# Altium PCB 20220515_Keyboard_V0.2.PcbDoc (part 2 of 2)
Units mil, origin at the board's own origin, x right, y up, seen from the top; angles counter-clockwise.
Board outline 8065.67 x 4703.83 mil, 2 copper layers (Top Layer, Bottom Layer); 135 components, 101 nets, 694 pads, 1603 vias.
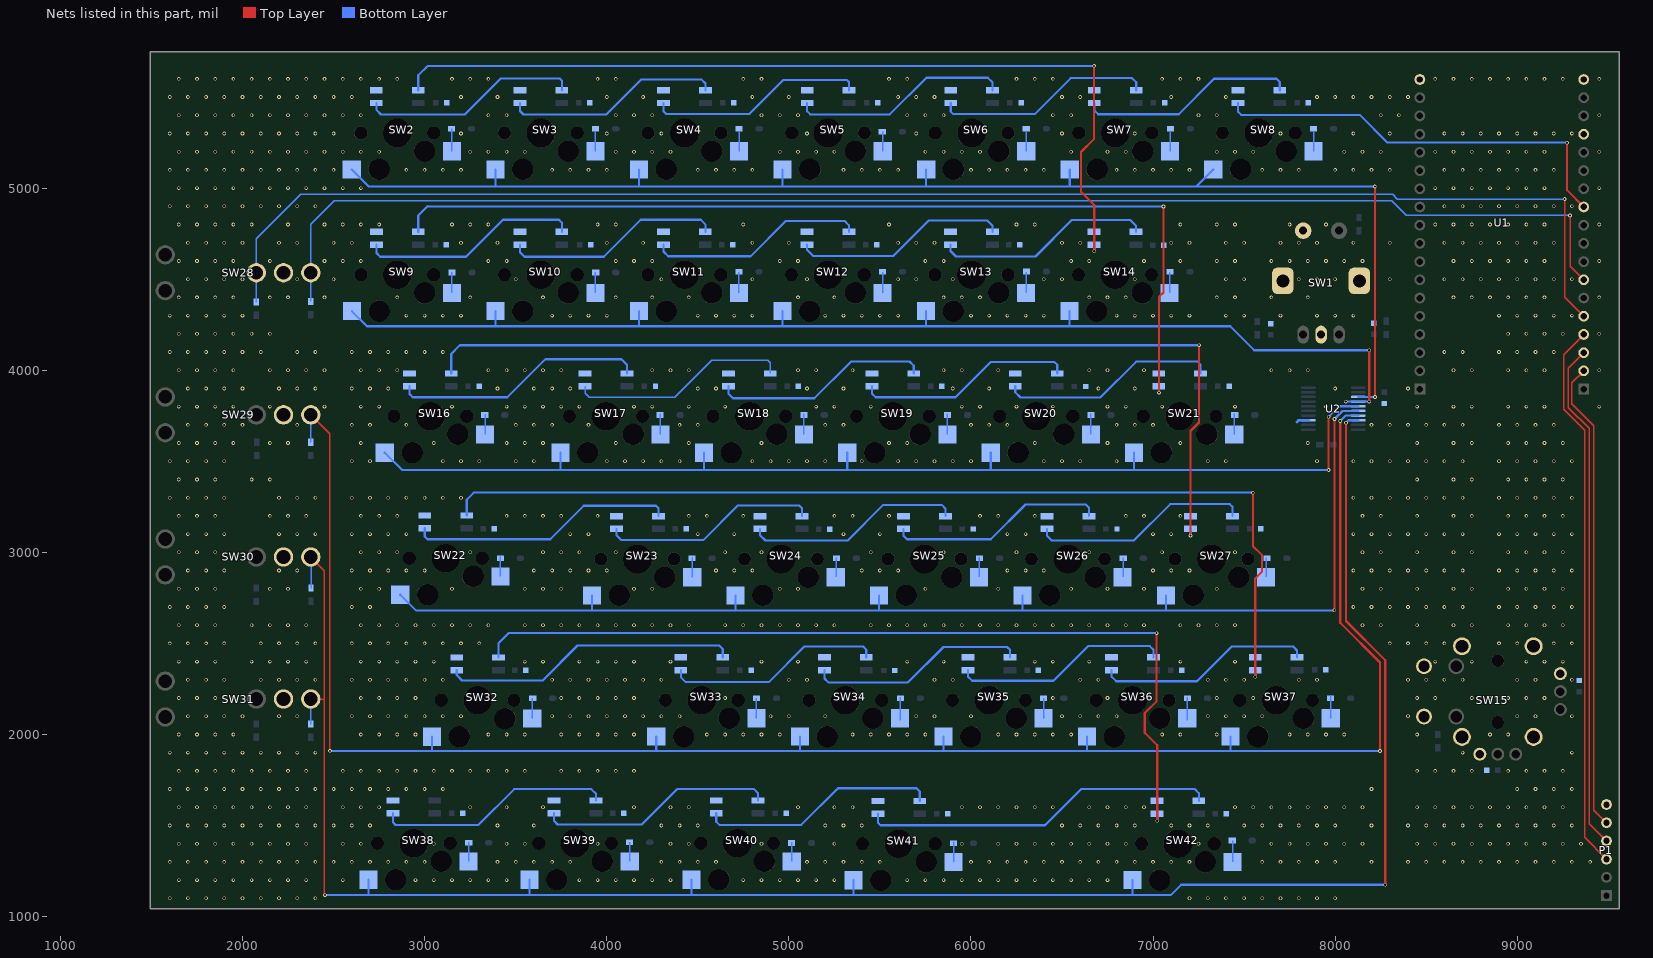
[diagram p2: the nets of this part, all layers, seen from the top]

## Via types
v1: diameter 20, hole 12, Top Layer to Bottom Layer, 1603 vias

## Nets (pads, with @x,y where several pads share a name; then routed paths per layer and width w, separated by ;. In a path a pad name is that pad's centre, name@x,y a point inside that pad or via, vN(x,y) a via of type N, cw(c..) or ccw(c..) an arc to the next point about the centre after c; other vN are vias at no path point) (continued)
GND: C1.1 C2.1 C3.1 C4.1 C5.1 C6.1 C7.1 C8.1 C9.2 C10.1 C11.1 C12.1 C13.1 C14.1 C15.1 C16.1 C17.1 C18.1 C19.1 C20.1 C21.1 C22.1 C23.1 C24.1 C25.1 C26.1 C27.1 C28.1 C29.1 C30.1 C31.1 C32.1 C33.1 C34.1 C35.1 C36.1 C37.1 C38.1 C39.1 C40.1 C41.1 P1.6 SW1.6 SW1.7 SW1.C SW1.D SW2.5 SW3.5 SW4.5 SW5.5 SW6.5 SW7.5 SW8.5 SW9.5 SW10.5 SW11.5 SW12.5 SW13.5 SW14.5 SW15.1 SW15.6 SW15.7 SW15.8 SW15.9 SW15.10 SW15.b SW15.d SW16.5 SW17.5 SW18.5 SW19.5 SW20.5 SW21.5 SW22.5 SW23.5 SW24.5 SW25.5 SW26.5 SW27.5 SW28.2 SW29.2 SW30.2 SW31.2 SW32.5 SW33.5 SW34.5 SW35.5 SW36.5 SW37.5 SW38.5 SW39.5 SW40.5 SW41.5 SW42.5 U1.1 U1.4 U1.36 U2.13 | length 65.5
  Bottom Layer w16: 7791.09,3716.41 7800.01,3725.33 U2.13@7852.85,3725.33
  other v1: 1600,1100 1700,1100 1800,1100 1900,1100 2000,1100 2100,1100 2200,1100 2300,1100 2400,1100 7200,1100 7300,1100 7400,1100 7500,1100 7600,1100 7700,1100 7800,1100 7900,1100 8000,1100 1650,1200 1750,1200 1850,1200 1950,1200 2050,1200 2150,1200 2250,1200 2350,1200 2550,1200 2950,1200 3050,1200 3150,1200 3250,1200 3350,1200 3450,1200 3850,1200 3950,1200 4050,1200 4150,1200 4250,1200 4350,1200 4750,1200 4850,1200 4950,1200 5050,1200 5150,1200 5250,1200 5650,1200 5750,1200 5850,1200 5950,1200 6050,1200 6150,1200 6250,1200 6350,1200 6450,1200 6550,1200 6650,1200 6750,1200 1600,1300 1700,1300 1800,1300 1900,1300 2000,1300 2100,1300 2200,1300 2300,1300 2400,1300 2500,1300 2600,1300 2700,1300 2800,1300 2900,1300 3000,1300 3400,1300 3500,1300 3600,1300 3700,1300 3800,1300 4300,1300 4400,1300 4500,1300 4600,1300 5100,1300 5200,1300 5300,1300 5400,1300 5500,1300 6000,1300 6100,1300 6200,1300 6300,1300 6400,1300 6500,1300 6600,1300 6700,1300 6800,1300 6900,1300 7000,1300 7100,1300 7200,1300 7600,1300 7700,1300 7800,1300 7900,1300 8000,1300 8200,1300 8400,1300 8500,1300 8600,1300 8700,1300 8800,1300 8900,1300 9000,1300 9100,1300 9200,1300 9300,1300 9400,1300 1650,1400 1750,1400 1850,1400 1950,1400 2050,1400 2150,1400 2250,1400 2350,1400 2550,1400 2650,1400 3050,1400 3450,1400 3550,1400 3950,1400 4350,1400 4450,1400 4850,1400 5250,1400 5950,1400 6150,1400 6250,1400 6350,1400 6450,1400 6550,1400 6650,1400 6750,1400 6850,1400 7250,1400 7650,1400 7750,1400 7850,1400 7950,1400 8050,1400 8150,1400 8450,1400 8550,1400 8650,1400 8750,1400 8850,1400 8950,1400 9050,1400 9150,1400 9250,1400 9350,1400 1600,1500 1700,1500 1800,1500 1900,1500 2000,1500 2100,1500 2200,1500 2300,1500 2400,1500 2500,1500 2600,1500 2700,1500 3400,1500 3600,1500 4300,1500 4400,1500 4500,1500 5200,1500 5300,1500 5400,1500 6500,1500 6600,1500 6700,1500 6800,1500 6900,1500 7100,1500 7200,1500 7300,1500 7500,1500 7600,1500 7700,1500 7800,1500 7900,1500 8000,1500 8200,1500 8400,1500 8500,1500 8600,1500 8700,1500 8800,1500 8900,1500 9000,1500 9100,1500 9200,1500 9300,1500 1650,1600 1750,1600 1850,1600 1950,1600 2050,1600 2150,1600 2250,1600 2350,1600 2550,1600 2650,1600 2750,1600 3250,1600 3450,1600 3650,1600 4150,1600 4350,1600 4450,1600 5050,1600 5250,1600 5350,1600 5950,1600 6050,1600 6150,1600 6250,1600 6350,1600 6450,1600 6650,1600 6750,1600 6850,1600 6950,1600 7450,1600 7550,1600 7650,1600 7750,1600 7850,1600 7950,1600 8050,1600 8150,1600 8450,1600 8550,1600 8650,1600 8750,1600 8850,1600 8950,1600 9050,1600 9150,1600 9250,1600 1600,1700 1700,1700 1800,1700 1900,1700 2000,1700 2100,1700 2200,1700 2300,1700 2400,1700 2500,1700 2600,1700 2700,1700 2800,1700 2900,1700 3000,1700 3100,1700 8200,1700 9000,1700 9100,1700 9200,1700 9300,1700 1650,1800 1750,1800 1850,1800 1950,1800 2050,1800 2150,1800 2250,1800 2350,1800 2550,1800 2650,1800 2750,1800 2850,1800 2950,1800 3050,1800 3150,1800 3250,1800 3350,1800 3450,1800 3550,1800 3750,1800 3850,1800 3950,1800 4050,1800 4150,1800 8450,1800 8550,1800 8650,1800 8750,1800 8950,1800 9050,1800 9150,1800 9250,1800 1600,1900 1700,1900 1800,1900 1900,1900 2000,1900 2100,1900 2200,1900 2300,1900 2400,1900 8700,1900 9300,1900 1650,2000 1750,2000 1850,2000 1950,2000 2650,2000 2750,2000 2850,2000 2950,2000 3350,2000 3450,2000 3550,2000 3750,2000 3850,2000 3950,2000 4050,2000 4150,2000 4550,2000 4650,2000 4750,2000 4850,2000 4950,2000 5350,2000 5450,2000 5550,2000 5650,2000 5750,2000 6150,2000 6250,2000 6350,2000 6450,2000 6550,2000 7050,2000 7150,2000 7350,2000 7750,2000 7850,2000 7950,2000 8050,2000 8450,2000 8850,2000 8950,2000 1700,2100 1800,2100 1900,2100 2000,2100 2200,2100 2300,2100 2600,2100 2700,2100 2800,2100 2900,2100 3000,2100 3100,2100 3200,2100 3700,2100 3800,2100 3900,2100 4000,2100 4100,2100 4200,2100 4300,2100 4400,2100 4900,2100 5000,2100 5200,2100 5700,2100 5800,2100 6000,2100 6500,2100 6600,2100 6700,2100 6800,2100 7300,2100 7400,2100 7500,2100 7600,2100 8400,2100 9000,2100 9100,2100 9300,2100 1650,2200 1750,2200 1850,2200 1950,2200 2650,2200 2750,2200 2850,2200 2950,2200 3750,2200 3850,2200 3950,2200 4050,2200 4150,2200 4650,2200 6450,2200 6750,2200 7350,2200 7550,2200 8450,2200 8550,2200 8750,2200 8850,2200 8950,2200 9050,2200 9150,2200 1700,2300 1800,2300 1900,2300 2100,2300 2200,2300 2300,2300 2400,2300 2600,2300 2700,2300 2800,2300 2900,2300 3000,2300 3100,2300 3700,2300 3800,2300 3900,2300 4000,2300 4100,2300 4200,2300 4300,2300 5000,2300 5100,2300 5800,2300 5900,2300 6600,2300 6700,2300 7300,2300 7400,2300 7500,2300 7800,2300 7900,2300 8400,2300 8500,2300 8600,2300 8700,2300 9000,2300 9100,2300 9300,2300 1650,2400 1750,2400 1850,2400 2050,2400 2150,2400 2250,2400 2350,2400 2650,2400 2750,2400 2850,2400 2950,2400 3050,2400 3550,2400 3650,2400 3850,2400 3950,2400 4050,2400 4150,2400 4350,2400 4850,2400 5050,2400 5650,2400 5850,2400 6350,2400 6450,2400 6650,2400 7150,2400 7450,2400 8550,2400 8750,2400 9050,2400 9150,2400 9250,2400 1600,2500 1700,2500 1800,2500 1900,2500 2100,2500 2200,2500 2300,2500 2400,2500 2600,2500 2700,2500 2800,2500 2900,2500 3000,2500 3100,2500 3200,2500 3300,2500 8300,2500 8400,2500 8500,2500 8600,2500 8900,2500 9000,2500 9200,2500 9300,2500 1650,2600 1750,2600 1850,2600 2050,2600 2150,2600 2250,2600 2350,2600 2650,2600 2750,2600 2850,2600 2950,2600 3050,2600 3150,2600 3250,2600 3350,2600 3550,2600 3650,2600 3750,2600 3850,2600 3950,2600 4050,2600 4150,2600 4250,2600 4350,2600 4450,2600 4650,2600 4750,2600 4850,2600 4950,2600 5050,2600 5150,2600 5250,2600 5450,2600 5550,2600 5650,2600 5750,2600 5850,2600 5950,2600 6050,2600 6150,2600 6250,2600 6350,2600 6450,2600 6550,2600 6650,2600 6750,2600 6850,2600 6950,2600 7150,2600 7250,2600 7350,2600 7450,2600 8150,2600 8250,2600 8450,2600 8650,2600 8750,2600 8950,2600 9050,2600 9150,2600 9250,2600 1600,2700 1700,2700 1800,2700 1900,2700 2600,2700 2700,2700 8100,2700 8200,2700 8300,2700 8400,2700 8500,2700 8600,2700 8700,2700 8900,2700 9000,2700 9100,2700 9200,2700 9300,2700 1650,2800 1750,2800 1850,2800 2150,2800 2250,2800 2650,2800 2750,2800 3150,2800 3550,2800 3650,2800 3750,2800 4150,2800 4250,2800 4950,2800 5050,2800 5750,2800 6150,2800 6550,2800 6750,2800 6950,2800 7350,2800 8150,2800 8250,2800 8450,2800 8650,2800 8750,2800 8950,2800 9050,2800 9150,2800 9250,2800 1700,2900 1800,2900 1900,2900 2200,2900 2300,2900 2600,2900 2700,2900 2800,2900 2900,2900 3000,2900 3600,2900 3700,2900 3800,2900 3900,2900 4000,2900 4600,2900 4700,2900 4800,2900 5400,2900 5500,2900 5600,2900 6200,2900 6300,2900 6400,2900 7000,2900 7100,2900 7200,2900 8100,2900 8200,2900 8300,2900 8400,2900 8500,2900 8600,2900 8700,2900 8900,2900 9000,2900 9100,2900 9200,2900 9300,2900 1650,3000 1750,3000 1850,3000 2650,3000 2750,3000 2850,3000 3250,3000 3650,3000 3750,3000 3850,3000 4050,3000 4650,3000 4850,3000 5450,3000 5850,3000 6250,3000 6650,3000 7050,3000 7450,3000 8150,3000 8250,3000 8450,3000 8650,3000 8750,3000 8950,3000 9050,3000 9150,3000 9250,3000 1700,3100 1800,3100 1900,3100 2200,3100 2300,3100 2400,3100 2600,3100 2700,3100 2800,3100 2900,3100 3800,3100 3900,3100 4500,3100 4700,3100 5300,3100 5500,3100 6200,3100 6300,3100 7000,3100 7100,3100 8100,3100 8200,3100 8300,3100 8400,3100 8500,3100 8600,3100 8700,3100 8900,3100 9000,3100 9100,3100 9200,3100 9300,3100 1650,3200 1750,3200 1850,3200 2150,3200 2250,3200 2350,3200 2650,3200 2750,3200 2850,3200 3450,3200 3550,3200 3650,3200 3750,3200 3950,3200 4450,3200 4550,3200 4750,3200 5250,3200 5350,3200 5550,3200 6050,3200 6150,3200 6350,3200 6850,3200 6950,3200 7150,3200 8150,3200 8250,3200 8450,3200 8650,3200 8750,3200 8950,3200 9050,3200 9150,3200 9250,3200 1600,3300 1700,3300 1800,3300 1900,3300 2200,3300 2300,3300 2400,3300 2600,3300 2700,3300 2800,3300 2900,3300 3000,3300 3100,3300 3200,3300 8100,3300 8200,3300 8300,3300 8400,3300 8500,3300 8600,3300 8700,3300 8900,3300 9000,3300 9100,3300 9200,3300 9300,3300 1650,3400 1750,3400 1850,3400 2050,3400 2150,3400 8450,3400 8650,3400 8750,3400 8950,3400 9050,3400 9150,3400 9250,3400 1600,3500 1700,3500 1800,3500 1900,3500 2600,3500 2700,3500 3100,3500 3200,3500 3300,3500 3500,3500 3600,3500 4000,3500 4100,3500 4200,3500 4300,3500 4400,3500 4800,3500 4900,3500 5000,3500 5100,3500 5200,3500 5400,3500 5600,3500 5700,3500 5800,3500 5900,3500 6000,3500 6400,3500 6500,3500 6600,3500 6800,3500 7300,3500 7400,3500 7900,3500 8100,3500 8200,3500 8300,3500 8400,3500 8500,3500 8600,3500 8700,3500 8900,3500 9000,3500 9100,3500 9200,3500 9300,3500 1650,3600 1750,3600 1850,3600 1950,3600 2150,3600 2250,3600 2650,3600 3050,3600 3450,3600 3550,3600 3650,3600 4050,3600 4450,3600 4850,3600 5550,3600 5650,3600 6350,3600 6750,3600 7150,3600 7850,3600 8450,3600 8650,3600 8750,3600 8950,3600 9050,3600 9150,3600 9250,3600 1700,3700 1800,3700 1900,3700 2000,3700 2300,3700 2600,3700 2700,3700 2900,3700 3500,3700 3600,3700 3700,3700 3900,3700 4400,3700 4500,3700 5200,3700 5300,3700 6000,3700 6100,3700 6200,3700 6800,3700 6900,3700 7000,3700 8200,3700 8300,3700 8400,3700 8500,3700 8600,3700 8700,3700 8900,3700 9000,3700 9100,3700 9200,3700 1650,3800 1750,3800 1850,3800 1950,3800 2150,3800 2450,3800 2650,3800 2750,3800 3150,3800 3450,3800 3550,3800 3650,3800 3750,3800 3850,3800 4150,3800 4250,3800 4450,3800 4650,3800 5150,3800 5250,3800 5450,3800 5950,3800 6050,3800 6250,3800 6450,3800 6750,3800 6850,3800 7050,3800 7450,3800 7950,3800 8450,3800 8650,3800 8750,3800 8950,3800 9050,3800 9150,3800 9450,3800 1700,3900 1800,3900 1900,3900 2000,3900 2200,3900 2300,3900 2400,3900 2600,3900 2700,3900 2800,3900 3400,3900 3600,3900 3700,3900 3800,3900 4500,3900 4600,3900 5100,3900 5300,3900 5900,3900 6100,3900 6700,3900 6900,3900 8000,3900 8400,3900 1650,4000 1750,4000 1850,4000 1950,4000 2150,4000 2250,4000 2350,4000 2450,4000 2650,4000 2750,4000 2850,4000 3350,4000 3450,4000 3550,4000 3650,4000 3750,4000 4250,4000 4350,4000 4450,4000 5050,4000 5150,4000 5350,4000 5850,4000 5950,4000 6150,4000 6650,4000 6750,4000 6950,4000 7650,4000 7750,4000 7850,4000 8650,4000 8750,4000 8950,4000 9050,4000 9150,4000 9450,4000 1600,4100 1700,4100 1800,4100 1900,4100 2000,4100 2100,4100 2300,4100 2400,4100 2600,4100 2700,4100 2800,4100 2900,4100 3000,4100 3100,4100 8600,4100 8700,4100 8900,4100 9000,4100 9100,4100 9200,4100 1650,4200 1750,4200 1850,4200 1950,4200 2050,4200 2150,4200 8950,4200 9050,4200 9150,4200 9250,4200 9450,4200 1600,4300 1700,4300 1800,4300 1900,4300 2000,4300 2900,4300 3000,4300 3100,4300 3200,4300 3700,4300 3800,4300 3900,4300 4000,4300 4500,4300 4600,4300 4700,4300 4800,4300 5200,4300 5300,4300 5400,4300 5500,4300 5600,4300 6000,4300 6100,4300 6200,4300 6300,4300 6400,4300 6800,4300 6900,4300 7000,4300 7100,4300 7200,4300 7400,4300 7500,4300 7700,4300 7900,4300 8000,4300 8100,4300 8900,4300 9000,4300 9100,4300 9200,4300 9300,4300 1650,4400 1750,4400 1850,4400 1950,4400 2150,4400 2250,4400 2450,4400 2850,4400 3250,4400 3650,4400 4050,4400 4250,4400 4450,4400 5050,4400 5250,4400 5850,4400 5950,4400 6050,4400 6650,4400 6750,4400 6850,4400 7350,4400 7450,4400 7650,4400 7850,4400 8650,4400 8750,4400 8850,4400 8950,4400 9050,4400 9150,4400 9450,4400 1700,4500 1800,4500 1900,4500 2000,4500 2300,4500 2500,4500 3500,4500 4300,4500 4800,4500 5100,4500 5600,4500 5700,4500 5900,4500 6400,4500 6500,4500 6900,4500 7400,4500 7500,4500 7800,4500 7900,4500 8000,4500 8300,4500 8600,4500 8700,4500 8800,4500 8900,4500 9000,4500 9100,4500 9200,4500 9300,4500 1650,4600 1750,4600 1850,4600 1950,4600 2150,4600 2450,4600 2550,4600 2650,4600 3350,4600 3450,4600 4050,4600 4150,4600 4250,4600 4950,4600 5050,4600 5750,4600 5850,4600 6550,4600 6650,4600 6950,4600 7150,4600 7350,4600 7450,4600 7650,4600 7750,4600 7850,4600 7950,4600 8050,4600 8150,4600 8650,4600 8750,4600 8850,4600 8950,4600 9050,4600 9150,4600 9450,4600 1700,4700 1800,4700 1900,4700 2000,4700 2200,4700 2300,4700 2500,4700 2600,4700 3200,4700 3400,4700 4000,4700 4200,4700 4800,4700 5000,4700 5600,4700 5700,4700 5800,4700 6500,4700 6600,4700 7100,4700 7200,4700 7400,4700 7500,4700 7700,4700 7800,4700 7900,4700 8100,4700 8300,4700 8600,4700 8700,4700 8800,4700 8900,4700 9000,4700 9100,4700 9200,4700 1650,4800 1750,4800 1850,4800 1950,4800 2050,4800 2250,4800 2450,4800 2550,4800 2650,4800 2750,4800 3150,4800 3250,4800 3350,4800 3950,4800 4050,4800 4750,4800 5550,4800 6250,4800 6350,4800 7150,4800 7350,4800 7450,4800 7750,4800 7950,4800 8550,4800 8650,4800 8750,4800 8850,4800 8950,4800 9050,4800 9150,4800 9450,4800 1600,4900 1700,4900 1800,4900 1900,4900 2000,4900 2100,4900 2200,4900 2300,4900 2400,4900 8600,4900 8700,4900 8800,4900 8900,4900 9000,4900 9100,4900 9200,4900 9300,4900 1650,5000 1750,5000 1850,5000 1950,5000 2050,5000 2150,5000 2250,5000 2350,5000 2450,5000 2550,5000 2650,5000 8550,5000 8650,5000 8750,5000 8850,5000 8950,5000 9050,5000 9150,5000 9450,5000 1600,5100 1700,5100 1800,5100 1900,5100 2000,5100 2100,5100 2200,5100 2300,5100 2400,5100 2500,5100 2900,5100 3000,5100 3100,5100 3200,5100 3700,5100 3800,5100 3900,5100 4000,5100 4500,5100 4600,5100 4700,5100 4800,5100 5300,5100 5400,5100 5500,5100 5600,5100 6000,5100 6100,5100 6200,5100 6300,5100 6400,5100 6800,5100 6900,5100 7000,5100 7100,5100 7200,5100 7600,5100 7700,5100 7800,5100 8000,5100 8100,5100 8200,5100 8300,5100 8600,5100 8700,5100 8800,5100 8900,5100 9000,5100 9100,5100 9200,5100 1650,5200 1750,5200 1850,5200 1950,5200 2050,5200 2150,5200 2250,5200 2350,5200 2450,5200 2550,5200 2650,5200 2750,5200 3250,5200 3350,5200 3450,5200 3550,5200 4050,5200 4150,5200 4250,5200 4350,5200 4950,5200 5050,5200 5150,5200 5250,5200 5750,5200 5850,5200 5950,5200 6050,5200 6550,5200 6750,5200 6850,5200 7350,5200 7450,5200 7550,5200 8050,5200 8150,5200 8250,5200 8550,5200 8650,5200 8750,5200 8850,5200 8950,5200 9050,5200 9150,5200 9450,5200 1600,5300 1700,5300 1800,5300 1900,5300 2000,5300 2100,5300 2200,5300 2300,5300 2400,5300 2500,5300 3200,5300 4000,5300 4300,5300 5100,5300 5700,5300 6500,5300 6900,5300 7700,5300 8100,5300 8300,5300 8600,5300 8700,5300 8800,5300 8900,5300 9000,5300 9100,5300 9200,5300 9300,5300 1650,5400 1750,5400 1850,5400 1950,5400 2050,5400 2150,5400 2250,5400 2350,5400 2450,5400 2550,5400 2650,5400 3350,5400 3450,5400 4050,5400 4150,5400 4250,5400 4850,5400 4950,5400 5050,5400 5650,5400 5750,5400 5850,5400 6450,5400 6550,5400 7250,5400 7350,5400 8250,5400 8350,5400 9450,5400 1600,5500 1700,5500 1800,5500 1900,5500 2000,5500 2100,5500 2200,5500 2300,5500 2400,5500 2500,5500 2600,5500 3200,5500 3400,5500 4000,5500 4200,5500 4800,5500 5000,5500 5600,5500 5700,5500 5800,5500 6500,5500 6600,5500 7100,5500 7400,5500 7900,5500 8000,5500 8100,5500 8200,5500 8300,5500 8400,5500 1650,5600 1750,5600 1850,5600 1950,5600 2050,5600 2150,5600 2250,5600 2350,5600 2450,5600 2550,5600 2650,5600 2750,5600 2850,5600 3150,5600 3250,5600 3350,5600 3950,5600 4050,5600 4750,5600 4850,5600 5550,5600 5650,5600 6250,5600 6350,5600 6450,5600 7050,5600 7150,5600 7250,5600 8550,5600 8650,5600 8750,5600 8850,5600 8950,5600 9050,5600 9150,5600 9250,5600 9450,5600
IO: P1.5 U1.17 | length 2586.7
  Top Layer w8: U1.17@9365,3995 9300,3930 9300,3815 9420,3695 9420,1585 P1.5@9490,1515 ; U1.17@9364.99,3996.49 U1.17@9365.74,3995.74
LED_CTR: P1.4 U1.16 | length 2802.2
  Top Layer w8: U1.16@9365,4095 9280,4010 9280,3795 9395,3680 9395,1510 P1.4@9490,1415
MATRIX_TX: P1.3 U1.15 | length 3022.9
  Top Layer w8: U1.15@9365,4195 9255,4085 9255,3785 9370,3670 9370,1435 P1.3@9490,1315
NetD1_1: D1.1 SW2.4 | length 124.7
  Bottom Layer w8: D1.1@3147.93,5326.18 3149.99,5324.13 SW2.4@3149.99,5202.32
NetD2_1: D2.1 SW3.4 | length 106.7
  Bottom Layer w8: SW3.4@3937.72,5203.09 3937.72,5309.75
NetD3_1: D3.1 SW4.4 | length 107.1
  Bottom Layer w8: SW4.4@4726.62,5202.7 4726.62,5309.75
NetD4_1: D4.1 SW5.4 | length 107.4
  Bottom Layer w8: SW5.4@5515.5,5202.32 D4.1@5515.52,5309.75
NetD5_1: D5.1 SW6.4 | length 107
  Bottom Layer w8: SW6.4@6304.42,5202.74 6304.42,5309.75
NetD6_1: D6.1 SW7.4 | length 106.6
  Bottom Layer w8: SW7.4@7093.32,5203.13 7093.32,5309.75
NetD7_1: D7.1 SW8.4 | length 106.2
  Bottom Layer w8: SW8.4@7882.22,5203.53 7882.22,5309.75
NetD8_1: D8.1 SW9.4 | length 112.2
  Bottom Layer w8: SW9.4@3149.82,4425.05 D8.1@3149.82,4537.24
NetD9_1: D9.1 SW10.4 | length 112.3
  Bottom Layer w8: SW10.4@3938.06,4424.94 D9.1@3938.06,4537.24
NetD10_1: D10.1 SW11.4 | length 112.4
  Bottom Layer w8: SW11.4@4726.29,4424.82 D10.1@4726.29,4537.24
NetD11_1: D11.1 SW12.4 | length 112.5
  Bottom Layer w8: SW12.4@5514.53,4424.7 D11.1@5514.53,4537.24
NetD12_1: D12.1 SW13.4 | length 112.7
  Bottom Layer w8: SW13.4@6302.77,4424.59 D12.1@6302.77,4537.24
NetD13_1: D13.1 SW14.4 | length 112.8
  Bottom Layer w8: SW14.4@7091.01,4424.47 D13.1@7091.01,4537.24
NetD14_1: D14.1 SW16.4 | length 110.2
  Bottom Layer w8: SW16.4@3331.66,3647.5 D14.1@3331.66,3757.75
NetD15_1: D15.1 SW17.4 | length 111.5
  Bottom Layer w8: SW17.4@4294.34,3648.99 D15.1@4294.34,3760.5
NetD16_1: D16.1 SW18.4 | length 111.7
  Bottom Layer w8: SW18.4@5082.06,3648.77 D16.1@5082.06,3760.5
NetD17_1: D17.1 SW19.4 | length 112
  Bottom Layer w8: SW19.4@5869.79,3648.54 D17.1@5869.79,3760.5
NetD18_1: D18.1 SW20.4 | length 112.2
  Bottom Layer w8: SW20.4@6657.51,3648.32 D18.1@6657.51,3760.5
NetD19_1: D19.1 SW21.4 | length 112.4
  Bottom Layer w8: SW21.4@7445.24,3648.09 D19.1@7445.24,3760.5
NetD20_1: D20.1 SW22.4 | length 112.6
  Bottom Layer w8: SW22.4@3415.96,2867.37 D20.1@3415.96,2979.97
NetD21_1: D21.1 SW23.4 | length 110.4
  Bottom Layer w8: SW23.4@4469.05,2863.63 D21.1@4469.05,2973.99
NetD22_1: D22.1 SW24.4 | length 104.1
  Bottom Layer w8: SW24.4@5260.66,2867.25 D22.1@5260.66,2971.32
NetD23_1: D23.1 SW25.4 | length 107.6
  Bottom Layer w8: SW25.4@6046.01,2864.61 D23.1@6046.01,2972.2
NetD24_1: D24.1 SW26.4 | length 105.5
  Bottom Layer w8: SW26.4@6835.21,2865.82 D24.1@6835.21,2971.32
NetD25_1: D25.1 SW27.4 | length 106.2
  Bottom Layer w8: SW27.4@7622.48,2865.1 D25.1@7622.48,2971.32
NetD26_1: D26.1 SW32.4 | length 112
  Bottom Layer w8: SW32.4@3591.54,2087.85 D26.1@3591.54,2199.84
NetD27_1: D27.1 SW33.4 | length 110
  Bottom Layer w8: SW33.4@4822.24,2088.42 D27.1@4822.24,2198.45
NetD28_1: D28.1 SW34.4 | length 126.9
  Bottom Layer w8: SW34.4@5612.54,2077.28 D28.1@5612.54,2204.21
NetD29_1: D29.1 SW35.4 | length 109.7
  Bottom Layer w8: SW35.4@6398.56,2088.77 D29.1@6398.56,2198.45
NetD30_1: D30.1 SW36.4 | length 126.3
  Bottom Layer w8: SW36.4@7187.16,2078.27 D30.1@7187.16,2204.58
NetD31_1: D31.1 SW37.4 | length 126
  Bottom Layer w8: SW37.4@7974.89,2089.4 7974.89,2215.39
NetD32_1: D32.1 SW38.4 | length 104.9
  Bottom Layer w8: SW38.4@3241.01,1302.32 D32.1@3241.01,1407.2
NetD33_1: D33.1 SW39.4 | length 104.9
  Bottom Layer w8: SW39.4@4126.01,1302.32 D33.1@4126.01,1407.2
NetD34_1: D34.1 SW40.4 | length 104.9
  Bottom Layer w8: SW40.4@5016.01,1302.32 D34.1@5016.01,1407.2
NetD35_1: D35.1 SW41.4 | length 109.9
  Bottom Layer w8: SW41.4@5904.39,1299.78 D35.1@5904.39,1409.66
NetD36_1: D36.1 SW42.4 | length 116.5
  Bottom Layer w8: SW42.4@7436.62,1300.14 D36.1@7436.62,1416.6
NetSW2_2: SW2.2 SW14.6 | length 4927.5
  Top Layer w12: v1(6676.57,5671.08) 6676.57,5270.44 6604.52,5198.39 6604.52,4979.45 6677.03,4906.95 v1(6677.03,4653.5)
  Bottom Layer w12: SW2.2@2964.99,5537.32 2964.99,5619.48 3016.59,5671.08 v1(6676.57,5671.08) ; v1(6677.03,4653.5) SW14.6@6677.03,4688.45
NetSW2_6: SW2.6 SW3.2 | length 1205.5
  Bottom Layer w12: SW2.6@2734.99,5467.32 2734.99,5430.43 2760.72,5404.7 3221.01,5404.7 3417.89,5601.57 3742.62,5601.57 3753.49,5590.7 SW3.2@3753.49,5537.32
NetSW3_6: SW3.6 SW4.2 | length 1197.4
  Bottom Layer w12: SW3.6@3523.49,5467.32 3523.49,5423.67 3543.18,5403.98 3998.01,5403.98 4191.37,5597.34 4519.68,5597.34 4541.99,5575.03 SW4.2@4541.99,5537.32
NetSW4_6: SW4.6 SW5.2 | length 1198.5
  Bottom Layer w12: SW4.6@4311.99,5467.32 4311.99,5421.5 4326.94,5406.56 4782.83,5406.56 4970.79,5594.52 5318.43,5594.52 5330.5,5582.45 SW5.2@5330.5,5537.32
NetSW5_6: SW5.6 SW6.2 | length 1208.2
  Bottom Layer w12: SW5.6@5100.5,5467.32 5100.5,5422.26 5117.92,5404.84 5554.39,5404.84 5756.04,5606.49 6093.01,5606.49 6119,5580.49 SW6.2@6119,5537.32
NetSW6_6: SW6.6 SW7.2 | length 1206.6
  Bottom Layer w12: SW6.6@5889,5467.32 5889,5420.02 5902.61,5406.4 6350.23,5406.4 6547.77,5603.94 6884.84,5603.94 6907.51,5581.27 SW7.2@6907.51,5537.32
NetSW7_6: SW7.6 SW8.2 | length 1200.1
  Bottom Layer w12: SW7.6@6677.51,5467.32 6677.51,5427.62 6699.18,5405.95 7140.73,5405.95 7335.09,5600.31 7677.96,5600.31 7696.01,5582.26 SW8.2@7696.01,5537.32
NetSW9_2: SW9.2 SW21.6 | length 5269
  Top Layer w12: v1@7033.07,3877.21 7033.07,4402.64 7057.63,4427.19 v1(7057.63,4898.98)
  Bottom Layer w12: SW9.2@2965.4,4759.47 2965.4,4849.55 3016.06,4900.21 3017.29,4898.98 v1(7057.63,4898.98) ; v1(7032.85,3877.21) SW21.6@7032.85,3910.49
NetSW9_6: SW9.6 SW10.2 | length 1214
  Bottom Layer w12: SW9.6@2735.4,4689.47 2735.4,4643.61 2756,4623.01 3227.52,4623.01 3430.66,4826.15 3737.64,4826.15 3753.52,4810.27 SW10.2@3753.52,4759.47
NetSW10_6: SW10.6 SW11.2 | length 1205.9
  Bottom Layer w12: SW10.6@3523.52,4689.47 3523.52,4648.1 3548.06,4623.56 3984.15,4623.56 4187.11,4826.53 4516.2,4826.53 4541.65,4801.08 SW11.2@4541.65,4759.47
NetSW11_6: SW11.6 SW12.2 | length 1193.3
  Bottom Layer w12: SW11.6@4311.65,4689.47 4311.65,4651.83 4337.72,4625.76 4790.15,4625.76 4983.81,4819.41 5306.85,4819.41 5329.77,4796.48 SW12.2@5329.77,4759.47
NetSW12_6: SW12.6 SW13.2 | length 1186.3
  Bottom Layer w12: SW12.6@5099.77,4689.47 5099.77,4661.76 5134.04,4627.49 5574.07,4627.49 5768.35,4821.77 6089.66,4821.77 6117.89,4793.54 SW13.2@6117.89,4759.47
NetSW13_6: SW13.6 SW14.2 | length 1196
  Bottom Layer w12: SW13.6@5887.89,4689.47 5887.89,4654.87 5918.35,4624.41 6354.12,4624.41 6555.43,4825.72 6873.57,4825.72 6906.01,4793.28 SW14.2@6906.01,4759.47
NetSW16_2: SW16.2 SW27.6 | length 5335.5
  Top Layer w12: v1(7205.7,3091.86) 7205.7,3666.22 7252.78,3713.3 v1(7252.78,4137.94)
  Bottom Layer w12: SW16.2@3146.48,3982.32 3146.48,4089.55 3193.68,4136.76 v1@7253.17,4136.76 ; v1(7205.7,3091.86) SW27.6@7205.7,3128.32
NetSW16_6: SW16.6 SW17.2 | length 1391.3
  Bottom Layer w12: SW16.6@2916.48,3912.32 2916.48,3869.26 2934.49,3851.24 3454.47,3851.24 3663.12,4059.9 4080.61,4059.9 4111.01,4029.5 SW17.2@4111.01,3982.32
NetSW17_6: SW17.6 SW18.2 | length 1215.3
  Bottom Layer w8: SW17.6@3881.01,3912.32 3881.01,3874.83 3905.15,3850.69 4372.49,3850.69 4577.8,4056 4884.21,4056 4898.51,4041.7 SW18.2@4898.51,3982.32
NetSW18_6: SW18.6 SW19.2 | length 1205.5
  Bottom Layer w12: SW18.6@4668.51,3912.32 4668.51,3870.86 4693.26,3846.11 5140.3,3846.11 5342.52,4048.33 5662.99,4048.33 5686.01,4025.31 SW19.2@5686.01,3982.32
NetSW19_6: SW19.6 SW20.2 | length 1200.6
  Bottom Layer w12: SW19.6@5456.01,3912.32 5456.01,3871.73 5476.47,3851.28 5914.95,3851.28 6108.72,4045.04 6458.22,4045.04 6473.51,4029.75 SW20.2@6473.51,3982.32
NetSW20_6: SW20.6 SW21.2 | length 1200.3
  Bottom Layer w12: SW20.6@6243.51,3912.32 6243.51,3878.63 6272.4,3849.74 6709.69,3849.74 6907.14,4047.19 7244.72,4047.19 7261.01,4030.9 SW21.2@7261.01,3982.32
NetSW22_2: SW22.2 SW37.6 | length 5519.8
  Top Layer w12: v1(7561.01,2316.76) 7561.01,2856.37 7599.17,2894.52 7599.17,2983.68 7548.12,3034.72 7548.12,3311.15 ; 7548.12,3311.15 v1(7548.12,3327.11) 7548.12,3311.15
  Bottom Layer w12: SW22.2@3231.01,3202.32 3231.01,3289.27 3269.61,3327.87 v1@7548.12,3327.87 ; v1(7561.01,2316.76) SW37.6@7561.01,2353.28
NetSW22_6: SW22.6 SW23.2 | length 1459.8
  Bottom Layer w12: SW22.6@3001.01,3132.32 3001.01,3087.36 3016.19,3072.18 3689.48,3072.18 3873.41,3256.11 4270.08,3256.11 4284.05,3242.14 SW23.2@4284.05,3198.63
NetSW23_6: SW23.6 SW24.2 | length 1192.3
  Bottom Layer w12: SW23.6@4054.05,3128.63 4054.05,3094.14 4081.32,3066.86 4529.86,3066.86 4720.03,3257.04 5057.25,3257.04 5072.04,3242.25 SW24.2@5072.04,3198.63
NetSW24_6: SW24.6 SW25.2 | length 1195
  Bottom Layer w12: SW24.6@4842.04,3128.63 4842.04,3094.57 4871.55,3065.06 5323.09,3065.06 5518.48,3260.44 5839.51,3260.44 5860.03,3239.92 SW25.2@5860.03,3198.63
NetSW25_6: SW25.6 SW26.2 | length 1196.6
  Bottom Layer w12: SW25.6@5630.03,3128.63 5630.03,3090.71 5648.73,3072.01 6108.96,3072.01 6299.99,3263.05 6629.97,3263.05 6648.02,3245 SW26.2@6648.02,3198.63
NetSW26_6: SW26.6 SW27.2 | length 1206.9
  Bottom Layer w12: SW26.6@6418.02,3128.63 6418.02,3090.31 6443.27,3065.06 6893.95,3065.06 7093.67,3264.78 7421.04,3264.78 7436.01,3249.81 SW27.2@7436.01,3198.63
NetSW32_2: SW32.2 SW42.6 | length 4839.8
  Top Layer w12: v1(7019.8,2556.5) 7019.8,2182.79 6954.74,2117.74 6954.74,2009.56 7022.92,1941.38 v1(7022.92,1526.2)
  Bottom Layer w12: SW32.2@3406.01,2422.32 3406.01,2499.87 3462.64,2556.5 v1(7019.8,2556.5) ; SW42.6@7021.62,1565.14 7022.92,1563.83 v1(7022.92,1526.2)
NetSW32_6: SW32.6 SW33.2 | length 1632.3
  Bottom Layer w12: SW32.6@3176.01,2352.32 3176.01,2326.12 3205.66,2296.47 3648.11,2296.47 3839.61,2487.97 4617.88,2487.97 4637.1,2468.76 SW33.2@4637.1,2423.28
NetSW33_6: SW33.6 SW34.2 | length 1199.8
  Bottom Layer w12: SW33.6@4407.1,2353.28 4407.1,2313.3 4433.1,2287.29 4889.18,2287.29 5084.97,2483.08 5407.9,2483.08 5425.57,2465.4 SW34.2@5425.57,2423.28
NetSW34_6: SW34.6 SW35.2 | length 1201.7
  Bottom Layer w12: SW34.6@5195.57,2353.28 5195.57,2307.63 5217.19,2286.02 5654.53,2286.02 5849.05,2480.54 6198.31,2480.54 6214.05,2464.79 SW35.2@6214.05,2423.28
NetSW35_6: SW35.6 SW36.2 | length 1192.7
  Bottom Layer w12: SW35.6@5984.05,2353.28 5984.05,2317.05 6006.6,2294.5 6452.91,2294.5 6643.21,2484.8 6982.59,2484.8 7002.53,2464.86 SW36.2@7002.53,2423.28
NetSW36_6: SW36.6 SW37.2 | length 1190.5
  Bottom Layer w12: SW36.6@6772.53,2353.28 6772.53,2317.16 6797.5,2292.19 7241.23,2292.19 7431.4,2482.36 7770.05,2482.36 7791.01,2461.4 SW37.2@7791.01,2423.28
NetSW38_6: SW38.6 SW39.2 | length 1299.6
  Bottom Layer w12: SW38.6@2826.01,1567.32 2826.01,1517.26 2840.51,1502.76 3295.18,1502.76 3491.94,1699.53 3915.09,1699.53 3941.01,1673.61 SW39.2@3941.01,1637.32
NetSW39_6: SW39.6 SW40.2 | length 1301.2
  Bottom Layer w12: SW39.6@3711.01,1567.32 3711.01,1524.12 3729.59,1505.53 4192.95,1505.53 4388.38,1700.96 4806.56,1700.96 4831.01,1676.52 SW40.2@4831.01,1637.32
NetSW40_6: SW40.6 SW41.2 | length 1314.6
  Bottom Layer w12: SW40.6@4601.01,1567.32 4601.01,1520.91 4618.49,1503.43 5068.19,1503.43 5269.45,1704.7 5701.18,1704.7 5719.39,1686.49 SW41.2@5719.39,1634.78
NetSW41_6: SW41.6 SW42.2 | length 1952.2
  Bottom Layer w12: SW41.6@5489.39,1564.78 5489.39,1514.53 5502.8,1501.12 6406.39,1501.12 6605.31,1700.04 7229.12,1700.04 7251.62,1677.54 SW42.2@7251.62,1635.14
RGB: SW8.6 U1.8@9364.99,4896.49 | length 2317.5
  Top Layer w12: v1(9273.94,5249.65) 9273.94,4987.54 U1.8@9364.99,4896.49
  Bottom Layer w12: SW8.6@7466.01,5467.32 7466.01,5420.09 7483.75,5402.35 8135.47,5402.35 8288,5249.82 v1@9274.9,5249.82
ROW0: SW2.3 SW3.3 SW4.3 SW5.3 SW6.3 SW7.3 SW8.3 U2.3 | length 7490.8
  Top Layer w12: v1@8218.25,3851.34 v1(8218.25,5008.95)
  Bottom Layer w12: SW2.3@2599.99,5102.32 2693.35,5008.95 7237.64,5008.95 ; 3388.49,5012.75 SW3.3@3388.49,5102.32 ; 4176.99,5009.11 SW4.3@4176.99,5102.32 ; 4965.5,5009.68 SW5.3@4965.5,5102.32 ; 5754,5016.56 SW6.3@5754,5102.32 ; 6542.51,5010.82 SW7.3@6542.51,5102.32 ; SW8.3@7331.01,5102.32 7237.64,5008.95 ; U2.3@8127.03,3853.28 v1(8218.53,3853.28) ; v1(8218.25,5008.95) 7237.64,5008.95
ROW1: SW9.3 SW10.3 SW11.3 SW12.3 SW13.3 SW14.3 U2.4 | length 6498.4
  Top Layer w12: v1(8187.69,3827.69) v1(8187.69,4109.2)
  Bottom Layer w12: SW9.3@2600.4,4324.47 2683.27,4241.6 3388.52,4241.6 ; SW10.3@3388.52,4324.47 3388.52,4241.6 ; SW11.3@4176.65,4324.47 4176.65,4241.6 ; SW12.3@4964.77,4324.47 4964.77,4241.6 ; SW13.3@5752.89,4324.47 5752.89,4241.6 ; 6541.01,4244.28 SW14.3@6541.01,4324.47 ; v1(8058.65,3827.69) U2.4@8127.03,3827.69 v1(8187.69,3827.69) ; v1@8187.69,4109.96 7555.29,4109.96 7423.66,4241.6 5752.89,4241.6 ; 3388.52,4241.6 4176.65,4241.6 ; 4176.65,4241.6 4964.77,4241.6 ; 4964.77,4241.6 5752.89,4241.6
ROW2: SW16.3 SW17.3 SW18.3 SW19.3 SW20.3 SW21.3 U2.5 | length 6174.3
  Top Layer w12: v1@7964.08,3452.25 v1(7964.08,3744.15)
  Bottom Layer w12: SW16.3@2781.48,3547.32 2876.55,3452.25 3746.01,3452.25 ; SW17.3@3746.01,3547.32 3746.01,3452.25 ; SW18.3@4533.51,3547.32 4533.51,3452.25 ; SW19.3@5321.01,3547.32 5321.01,3452.25 ; SW20.3@6108.51,3547.32 6108.51,3452.25 ; 6896.01,3454.38 SW21.3@6896.01,3547.32 ; v1(7964.08,3744.15) 7964.26,3744.15 8022.21,3802.1 U2.5@8127.03,3802.1 ; v1(7964.3,3452.25) 6108.51,3452.25 ; 3746.01,3452.25 4533.51,3452.25 ; 4533.51,3452.25 5321.01,3452.25 ; 5321.01,3452.25 6108.51,3452.25
ROW3: SW22.3 SW23.3 SW24.3 SW25.3 SW26.3 SW27.3 U2.6 | length 6775.2
  Top Layer w12: v1@7996.35,2682.32 v1(7996.35,3732.32)
  Bottom Layer w12: SW22.3@2866.01,2767.32 2952.01,2681.32 3919.05,2681.32 ; SW23.3@3919.05,2763.63 3919.05,2681.32 ; SW24.3@4707.04,2763.63 4707.04,2681.32 ; SW25.3@5495.03,2763.63 5495.03,2681.32 ; SW26.3@6283.02,2763.63 6283.02,2681.32 ; 7071.01,2682.28 SW27.3@7071.01,2763.63 ; v1@7996.03,2681.32 6283.02,2681.32 ; v1(7996.35,3732.32) 8040.54,3776.51 U2.6@8127.03,3776.51 ; 3919.05,2681.32 4707.04,2681.32 ; 4707.04,2681.32 5495.03,2681.32 ; 5495.03,2681.32 6283.02,2681.32
  other v1: 7996.01,2682.32
ROW4: R7.2 SW29.1 SW32.3 SW33.3 SW34.3 SW35.3 SW36.3 SW37.3 U2.7 | length 10281.5
  Top Layer w8: SW29.1@2374.85,3755.02 2480,3649.87 v1@2480,1915
  Top Layer w12: v1(8028.17,3721.25) 8028.17,2613.31 8246.53,2394.95 v1(8246.53,1908.69)
  Bottom Layer w8: R7.2@2373.66,3604.84 2373.66,3753.82 SW29.1@2374.85,3755.02
  Bottom Layer w12: v1(2480.37,1909.63) 4272.1,1909.63 ; 3041.01,1913.62 SW32.3@3041.01,1987.32 ; SW33.3@4272.1,1988.28 4272.1,1909.63 ; SW34.3@5060.57,1988.28 5060.57,1909.63 ; SW35.3@5849.05,1988.28 5849.05,1909.63 ; SW36.3@6637.53,1988.28 6637.53,1909.63 ; SW37.3@7426.01,1988.28 7426.01,1909.63 ; v1(8028.17,3721.25) 8057.84,3750.92 U2.7@8127.03,3750.92 ; v1@8246.53,1909.63 7426.01,1909.63 ; 4272.1,1909.63 5060.57,1909.63 ; 5060.57,1909.63 5849.05,1909.63 ; 5849.05,1909.63 6637.53,1909.63 ; 6637.53,1909.63 7426.01,1909.63
ROW5: R10.2 R11.2 SW30.1 SW31.1 SW38.3 SW39.3 SW40.3 SW41.3 SW42.3 U2.8 | length 11221.2
  Top Layer w8: SW31.1@2374.85,2194.25 2449.25,2194.25 ; SW30.1@2374.85,2974.64 2450,2899.49 v1@2450,1117.44
  Top Layer w12: v1(8059.54,3711.2) 8059.54,2622.39 8275,2406.93 v1(8275,1175)
  Bottom Layer w8: R11.2@2373.99,2056.98 SW31.1@2373.99,2193.39 ; SW30.1@2374.85,2974.64 2376.01,2973.48 R10.2@2376.01,2803.82
  Bottom Layer w12: v1(2452.56,1117.44) 7097.44,1117.44 7155,1175 v1(8275,1175) ; 2691.01,1123.45 SW38.3@2691.01,1202.32 ; 3576.01,1119.09 SW39.3@3576.01,1202.32 ; 4466.01,1119.58 SW40.3@4466.01,1202.32 ; 5354.39,1118.89 SW41.3@5354.39,1199.78 ; 6886.62,1120.19 SW42.3@6886.62,1200.14 ; v1(8059.54,3711.2) 8073.67,3725.33 U2.8@8127.03,3725.33
SW1: R6.2 SW28.1 U1.12 | length 7809.2
  Top Layer w8: v1(9290,4850) 9290,4571.48 U1.12@9364.99,4496.49
  Bottom Layer w8: R6.2@2374.97,4377.97 2374.97,4535.28 SW28.1@2374.85,4535.4 2374.85,4800.73 2504.12,4930 8310,4930 8390,4850 v1(9290,4850)
SW2: R8.2 SW28.3 U1.14 | length 8329.5
  Top Layer w8: v1(9260,4940) 9260,4401.48 U1.14@9364.99,4296.49
  Bottom Layer w8: R8.2@2074.53,4374.5 2074.53,4534.29 SW28.3@2075.64,4535.4 2075.64,4720.64 2320,4965 8315,4965 8340,4940 v1(9260,4940)
pads on no net: SW2. SW3. SW4. SW5. SW6. SW7. SW8. SW9. SW10. SW11. SW12. SW13. SW14. SW15. SW16. SW17. SW18. SW19. SW20. SW21. SW22. SW23. SW24. SW25. SW26. SW27. SW28.4 SW28.5 SW29.4 SW29.5 SW30.4 SW30.5 SW31.4 SW31.5 SW32. SW33. SW34. SW35. SW36. SW37. SW38. SW38.2 SW39. SW40. SW41. SW42. U1.0 U1.5 U1.6 U1.7 U1.8@9057.9,5631.29 U1.9 U1.10 U1.11 U1.13 U1.19 U1.20 U1.21 U1.24 U1.28 U1.29 U1.31 U1.33 U2.1 U2.9 U2.10 U2.11

## Polygon pours and split planes (outlines as drawn)
GND on Top Layer "Top Overlay-No Net" (solid, remove dead copper, pour order 0): 1500,5750 1505,5745 9560,5745 9560,1045 1495,1045
GND on Bottom Layer "Top Overlay-No Net" (solid, remove dead copper, pour order 2): 1495,5750 1500,5745 9560,5745 9560,1045 1495,1045

## Keep-outs
Keep-Out Layer:
  lines w7.87: 1493.97,5747.27 1493.97,1044.09 9559.65,1044.09 9559.65,5747.91 1493.97,5747.91

## Silkscreen, mask and mechanical layers (free items; w line width, h text height)
Top Overlay:
  text "GND" at 9280,1595 h60
  text "IO" at 9280,1500 h60
  text "LED" at 9280,1395 h60
  text "TX" at 9280,1305 h60
  text "3V3" at 9280,1195 h60
  text "20220516" at 8745,1180 h80
  text "+5V" at 9280,1100 h60
  text "V0.11" at 8870,1085 h80
Mechanical 15:
  lines w7.87: 2468.2,4946.99 7957.17,4946.99 ; 2469.09,4169.23 7952.15,4169.23 ; 2474.08,1049.23 6679.9,1049.23 ; 2475.44,3389.23 7525.38,3389.23 ; 2481.18,1759.23 6690.55,1759.23 ; 2483.82,2609.23 7703.62,2609.23 ; 2485.21,3319.23 7704.65,3319.23 ; 2486.61,2539.23 8059.97,2539.23 ; 2488.01,1834.23 8069.09,1834.23 ; 2489.94,4099.23 7524.59,4099.23 ; 2493.2,5656.99 7958.2,5656.99 ; 2494.09,1004.23 2494.09,4879.23 ; 2494.09,5674.06 2494.09,4879.23 ; 2586.36,1039 2586.36,1757.03 ; 2673.37,3380.1 2673.37,4098.14 ; 2761.44,2601.77 2761.44,3319.81 ; 2938.94,1819.37 2938.94,2537.4 ; 3205.98,4938.97 3205.98,5657.01 ; 3206.87,4161.21 3206.87,4879.25 ; 3286.73,4937.62 3286.73,5655.66 ; 3287.62,4159.86 3287.62,4877.9 ; 3295.61,1040.63 3295.61,1758.67 ; 3385,3381.5 3385,4099.53 ; 3470.79,1040.63 3470.79,1758.67 ; 3473.36,2599.95 3473.36,3317.99 ; 3637.62,3381.5 3637.62,4099.53 ; 3649.15,1819.27 3649.15,2537.3 ; 3813.77,2597.73 3813.77,3315.77 ; 3997.35,4938.94 3997.35,5656.98 ; 3998.24,4161.18 3998.24,4879.22 ; 4074.11,4938.32 4074.11,5656.36 ; 4075.01,4160.57 4075.01,4878.6 ; 4170.36,1820.72 4170.36,2538.76 ; 4182.31,1040.63 4182.31,1758.67 ; 4350.49,3381.5 4350.49,4099.53 ; 4356.3,1039.43 4356.3,1757.47 ; 4424.53,3378.59 4424.53,4096.63 ; 4525.17,2597.73 4525.17,3315.77 ; 4601.71,2599.05 4601.71,3317.08 ; 4784.39,4937.97 4784.39,5656.01 ; 4785.28,4160.22 4785.28,4878.25 ; 4861.36,4938.59 4861.36,5656.63 ; 4862.25,4160.83 4862.25,4878.87 ; 4880.44,1818.92 4880.44,2536.96 ; 4956.8,1815.65 4956.8,2533.69 ; 5066.62,1039.43 5066.62,1757.47 ; 5135.3,3380.82 5135.3,4098.86 ; 5213.73,3379.92 5213.73,4097.96 ; 5311.54,2601.82 5311.54,3319.86 ; 5392.31,2600.36 5392.31,3318.4 ; 5571.54,4938.4 5571.54,5656.44 ; 5572.43,4160.64 5572.43,4878.68 ; 5649.43,4937.72 5649.43,5655.76 ; 5650.32,4159.97 5650.32,4878 ; 5668,1817.83 5668,2535.87 ; 5745.44,1820.01 5745.44,2538.05 ; 5922.29,3380.82 5922.29,4098.86 ; 5999.82,3380.82 5999.82,4098.86 ; 6099.75,2600.36 6099.75,3318.4 ; 6176.3,2597.73 6176.3,3315.76 ; 6359.24,4938.4 6359.24,5656.44 ; 6360.13,4160.64 6360.13,4878.68 ; 6435.1,4938.4 6435.1,5656.44 ; 6435.99,4160.64 6435.99,4878.68 ; 6456.09,1819.36 6456.09,2537.4 ; 6531.68,1819.36 6531.68,2537.4 ; 6711.08,3380.18 6711.08,4098.22 ; 6764.62,1023.37 6378.35,1023.37 6377.23,1024.5 6377.23,1773.37 6764.62,1773.37 ; 6784.15,1039.39 6784.15,1757.43 ; 6789.42,3379.19 6789.42,4097.23 ; 6887.71,2599.05 6887.71,3317.08 ; 6965.58,2600.36 6965.58,3318.4 ; 7146.27,4939.08 7146.27,5657.12 ; 7147.16,4161.32 7147.16,4879.36 ; 7224.16,4937.05 7224.16,5655.09 ; 7225.05,4159.29 7225.05,4877.33 ; 7242.01,1820.56 7242.01,2538.6 ; 7318.8,1819.36 7318.8,2537.4 ; 7494.47,1039.39 7494.47,1757.43 ; 7498.98,3380.81 7498.98,4098.85 ; 7514.62,1023.37 7900.88,1023.37 ; 7514.62,1773.37 7902.01,1773.37 7902.01,1024.5 ; 7676.99,2599.05 7676.99,3317.08 ; 7934.24,4937.92 7934.24,5655.96 ; 7959.09,4879.23 2494.09,4879.23 ; 8029.12,1822.96 8029.12,2541

## Text inside footprints (layer, text, board x,y; h text height)
SW15: Top Overlay "VR1" at 8944.66,1958.01 h39.37; Top Overlay "VR2" at 9123.6,2416.5 h39.37 r270
U1: Top Overlay "RST" at 8697.73,5678.96 h60 r270; Top Overlay "PRG" at 9099.18,5681.89 h60 r270